# Altium PCB YarnControl_Connect_v1.0.PcbDoc
Units mm, origin at the board's own origin, x right, y up, seen from the top; angles counter-clockwise.
Board outline 140 x 55 mm, 2 copper layers (Top Layer, Bottom Layer); 11 components, 22 nets, 59 pads, 0 vias.
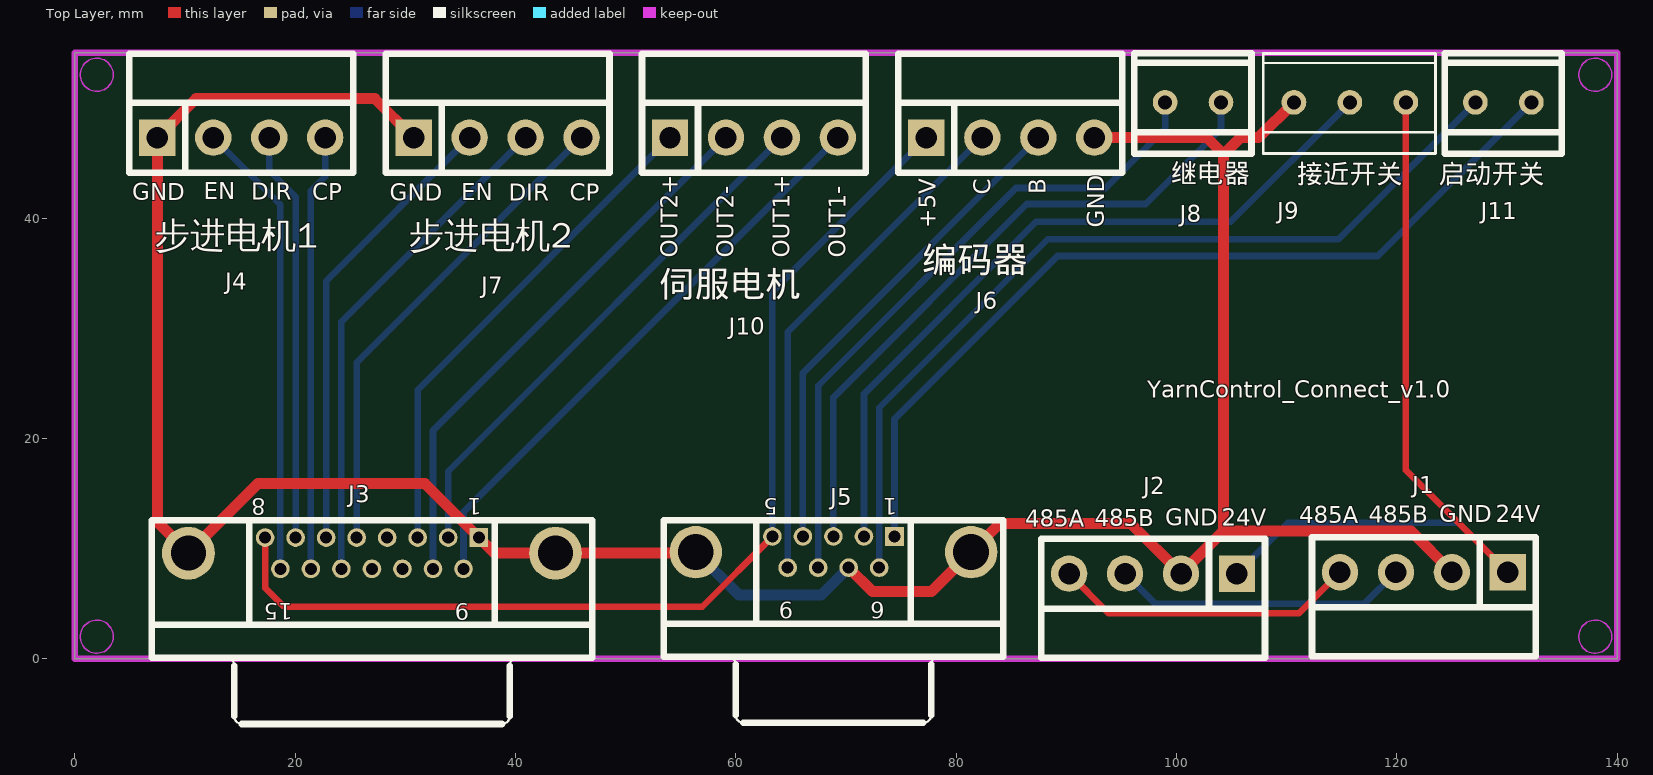
[diagram p0: Top Layer view]
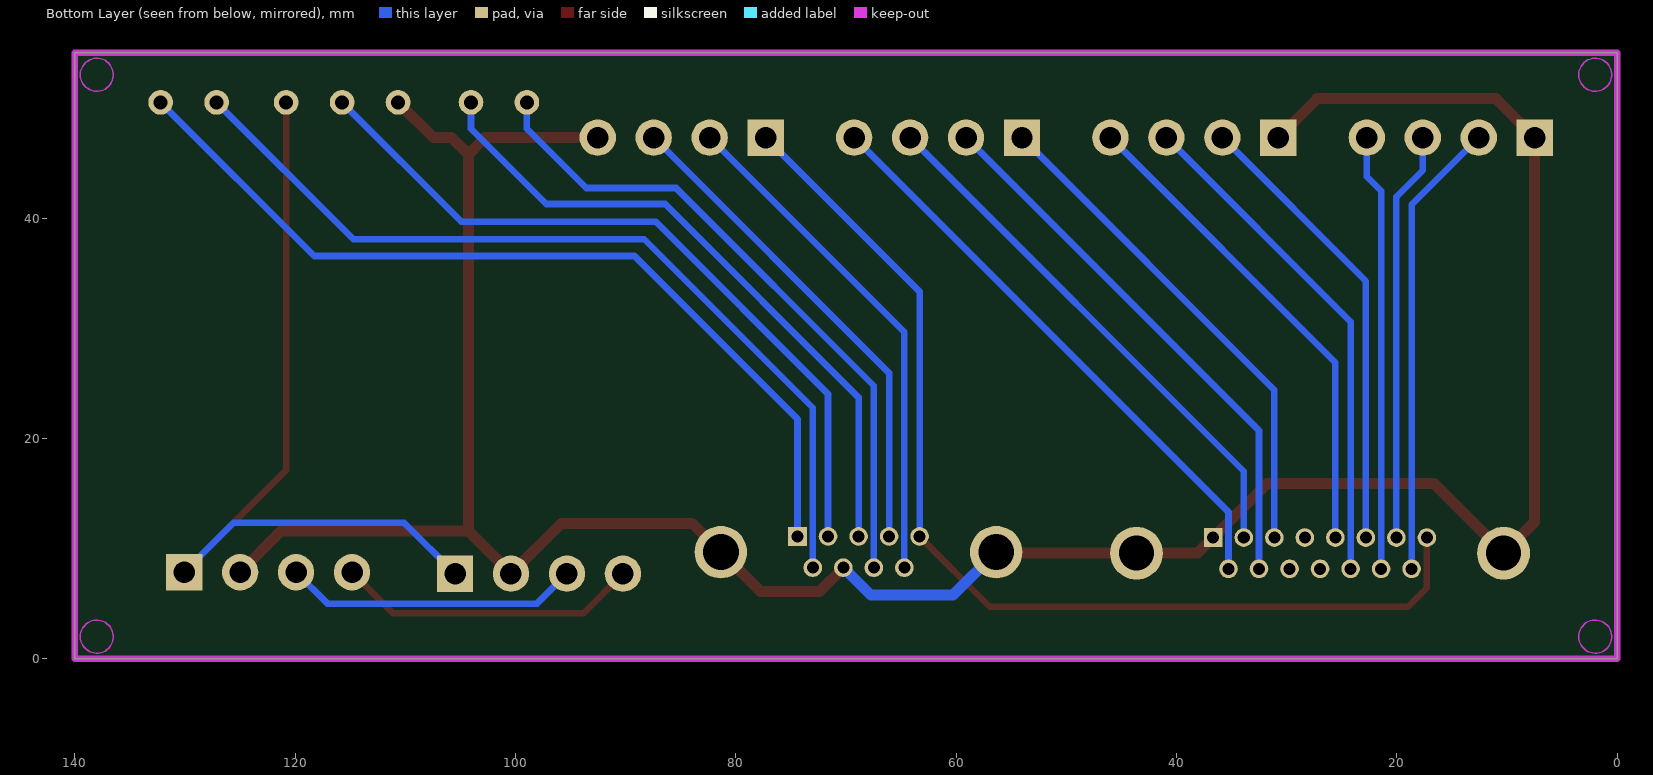
[diagram p1: Bottom Layer view, seen from below]

## Layer stack, top to bottom
Top Layer: signal copper 0.0356
Dielectric: dielectric 0.32, FR-4, Dk 4.8
Bottom Layer: signal copper 0.0356

## Board outline
0,0 140,0 140,55 0,55

## Design rules (kind name [scope] priority, off if disabled: settings)
Clearance Clearance_1 [inpoly] p1: gap=0.381
Clearance [All] p2: gap=0.203
Height [All] p1: minheight=0 maxheight=50 prefheight=12.7
HoleSize [All] p1: absolutevalues=TRUE maxlimit=4 minlimit=0.025 maxpercent=80.000 minpercent=20.000
MinimumSolderMaskSliver [All] p1: minsoldermaskwidth=0
PolygonConnect [All] p1: connectstyle=Relief reliefconductorwidth=0.508 reliefentries=4 polygonreliefangle="90 Angle"
RoutingVias [All] p1: holewidth=0.3 width=1.27 viastyle="Through Hole" minholewidth=0.3 minwidth=0.6 maxholewidth=0.711 maxwidth=1.27
SilkToSilkClearance [All] p1: silktosilkclearance=0
SilkscreenOverComponentPads [All] p1: minsilkscreentomaskgap=0
SolderMaskExpansion [All] p1: expansion=0.102
Width [All] p1: maxlimit=3 minlimit=0.203 preferedwidth=0.254
23 further rules are at their usual default settings.

## Components (designator, comment, footprint, x,y, rotation, side; value= is the part's Value field where it differs from the comment)
J1 "SH-4" PWR 130.073,7.849 r0 top
J2 "SH-4" PWR 105.486,7.722 r0 top
J3 "D Connector 15" DSUB1.385-2H15 26.975,0.078 r180 top
J4 "SH-4" PWR 7.493,47.295 r180 top
J5 "D Connector 9" DSUB1.385-2H9 68.859,0.178 r180 top
J6 "SH-4" PWR 77.292,47.295 r180 top
J7 "SH-4" PWR 30.759,47.295 r180 top
J8 "SH-2" J508-2(1) 101.498,50.495 r0 top
J9 "SH-3" J508-3 110.655,50.495 r0 top
J10 "SH-4" PWR 54.026,47.295 r180 top
J11 "SH-2" J508-2(1) 129.667,50.495 r0 top

## Footprints (in the part's own frame and the unit in brackets; to place one, negate y for a bottom-side part, rotate by r counter-clockwise, add the part's x,y. Pads: shape width x height; smd on the part's side, far side on the other; paste and mask are expansions set on the pad)
DSUB1.385-2H9 [mm] "Connector; D Subminiature; 9 Position; Right Angle; Pitch 1.385 mm"
  rect 1.69x1.69 hole 1.09: 1(-5.54,-10.92)
  round 1.69 hole 1.09: 2(-2.77,-10.92) 3(0,-10.92) 4(2.77,-10.92) 5(5.54,-10.92) 6(-4.155,-8.08) 7(-1.385,-8.08) 8(1.385,-8.08) 9(4.155,-8.08)
  round 4.76 hole 3.26: 10(-12.495,-9.5) 11(12.495,-9.5)
  silkscreen extent -15.4,-12.4 15.4,6
DSUB1.385-2H15 [mm] "Connector; D Subminiature; 15 Position; Right Angle; Pitch 1.385 mm"
  rect 1.69x1.69 hole 1.09: 1(-9.695,-10.92)
  round 1.69 hole 1.09: 2(-6.925,-10.92) 3(-4.155,-10.92) 4(-1.385,-10.92) 5(1.385,-10.92) 6(4.155,-10.92) 7(6.925,-10.92) 8(9.695,-10.92) 9(-8.31,-8.08) 10(-5.54,-8.08) 11(-2.77,-8.08) 12(0,-8.08) 13(2.77,-8.08) 14(5.54,-8.08) 15(8.31,-8.08)
  round 4.8 hole 3.18: 16(-16.66,-9.5) 17(16.66,-9.5)
  silkscreen extent -20,-12.5 20,6
J508-2(1) [mil]
  round 88 hole 50: 1(-100,0) 2(100,0)
  silkscreen extent -210,-183 209,175
J508-3 [mil]
  round 88 hole 50: 1(0,0) 2(200,0) 3(400,0)
  silkscreen extent -110,-183 506,175
PWR [mil]
  rect 130x130 hole 76.77: 1(0,0)
  round 130 hole 76.77: 2(-200,0) 3(-400,0) 4(-600,0)
  silkscreen extent -700,-300 100,125

## Part data
J3: "Receptacle Assembly, 15 Position, Right Angle"
J5: "Receptacle Assembly, 9 Position, Right Angle"

## Nets (pads, with @x,y where several pads share a name; then routed paths per layer and width w, separated by ;. In a path a pad name is that pad's centre, name@x,y a point inside that pad or via, vN(x,y) a via of type N, cw(c..) or ccw(c..) an arc to the next point about the centre after c; other vN are vias at no path point)
+5V: J3.8 J5.5 J6.1 | length 95.9
  Top Layer w0.6: J3.8 17.28,6.444 18.999,4.724 56.946,4.724 J5.5
  Bottom Layer w0.6: J5.5 63.319,33.322 J6.1
+24V: J1.1 J2.1 J9.3 | length 74.8
  Top Layer w0.6: J9.3 120.815,17.107 J1.1
  Bottom Layer w0.6: J2.1 110.109,12.344 125.578,12.344 J1.1
CLOSE_SW_IN: J5.2 J9.2 | length 68
  Bottom Layer w0.6: J5.2 71.629,24.03 87.274,39.675 104.915,39.675 J9.2
DIFF_OUTPUT1+: J3.9 J10.4 | length 53.2
  Bottom Layer w0.6: J3.9 35.285,13.314 J10.4
DIFF_OUTPUT1-: J3.2 J10.3 | length 48.8
  Bottom Layer w0.6: J3.2 33.9,17.009 J10.3
DIFF_OUTPUT2+: J3.3 J10.1 | length 45.8
  Bottom Layer w0.6: J3.3 31.13,24.399 J10.1
DIFF_OUTPUT2-: J3.10 J10.2 | length 50.2
  Bottom Layer w0.6: J3.10 32.515,20.704 J10.2
ENCODER_B: J5.4 J6.3 | length 45
  Bottom Layer w0.6: J5.4 66.089,25.932 J6.3
ENCODER_C: J5.9 J6.2 | length 46.4
  Bottom Layer w0.6: J5.9 64.704,29.627 J6.2
GND: J1.2 J2.2 J3.1 J3.16 J3.17 J4.1 J5.7 J5.10 J5.11 J6.4 J7.1 J9.1 | length 251.1
  Top Layer w1: J7.1 27.229,50.825 11.024,50.825 J4.1 7.493,12.4 J3.17 16.637,15.9 31.767,15.9 J3.1 38.09,9.578 J3.16 56.264,9.578 J5.11 ; J5.7 72.406,6.096 77.773,6.096 J5.10 83.97,12.294 95.834,12.294 J2.2 104.267,11.582 ; J6.4 102.743,47.295 104.267,45.771 ; J9.1 107.455,47.295 105.791,47.295 104.267,45.771 ; J1.2 121.26,11.582 104.267,11.582 ; 104.267,11.582 104.267,45.771
  Bottom Layer w1: J5.11 60.276,5.766 67.752,5.766 J5.7
RELAY1: J5.8 J8.1 | length 60.1
  Bottom Layer w0.6: J5.8 67.474,24.777 85.42,42.723 93.574,42.723 98.958,48.108 J8.1
RELAY2: J5.3 J8.2 | length 60.3
  Bottom Layer w0.6: J5.3 68.859,23.724 86.411,41.275 97.206,41.275 104.038,48.108 J8.2
RS485_A: J1.4 J2.4 | length 27.6
  Top Layer w0.6: J2.4 93.853,4.115 111.1,4.115 J1.4
RS485_B: J1.3 J2.3 | length 26.9
  Bottom Layer w0.6: J2.3 98.044,5.004 117.069,5.004 J1.3
START_STOP1: J5.6 J11.1 | length 80.1
  Bottom Layer w0.6: J5.6 73.014,22.773 88.316,38.075 114.706,38.075 J11.1
START_STOP2: J5.1 J11.2 | length 80.4
  Bottom Layer w0.6: J5.1 74.399,21.745 89.205,36.551 118.262,36.551 J11.2
STEP_MOTOR1_CP: J3.14 J4.4 | length 39.7
  Bottom Layer w0.6: J3.14 21.435,42.466 22.733,43.764 J4.4
STEP_MOTOR1_DIR: J3.7 J4.3 | length 37.3
  Bottom Layer w0.6: J4.3 17.653,44.323 20.05,41.926 J3.7
STEP_MOTOR1_EN: J3.15 J4.2 | length 41.7
  Bottom Layer w0.6: J4.2 18.665,41.203 J3.15
STEP_MOTOR2_CP: J3.5 J7.4 | length 44.8
  Bottom Layer w0.6: J3.5 25.59,26.885 J7.4
STEP_MOTOR2_DIR: J3.13 J7.3 | length 46.1
  Bottom Layer w0.6: J3.13 24.205,30.58 J7.3
STEP_MOTOR2_EN: J3.6 J7.2 | length 41.7
  Bottom Layer w0.6: J3.6 22.82,34.275 J7.2
pads on no net: J3.4 J3.11 J3.12

## Keep-outs
Keep-Out Layer:
  circle w0.127: c2,2 r1.5
  circle w0.127: c2,53 r1.5
  circle w0.127: c138,2 r1.5
  circle w0.127: c138,53 r1.5
  lines w0.6: 0,0 0,55 140,55 140,0 0,0

## Silkscreen, mask and mechanical layers (free items; w line width, h text height)
Top Overlay:
  text "继电器" at 99.466,42.592 h3
  text "接近开关" at 110.922,42.557 h3
  text "启动开关" at 123.8,42.545 h3
  text "B" at 88.138,42.139 h1.52 r90
  text "C" at 83.134,42.113 h1.52 r90
  text "EN" at 11.709,41.681 h1.52
  text "DIR" at 16.027,41.656 h1.52
  text "GND" at 5.207,41.631 h1.52
  text "CP" at 21.565,41.631 h1.52
  text "EN" at 35.077,41.605 h1.52
  text "DIR" at 39.395,41.58 h1.52
  text "GND" at 28.575,41.554 h1.52
  text "CP" at 44.933,41.554 h1.52
  text "GND" at 93.447,39.116 h1.52 r90
  text "+5V" at 78.156,39.091 h1.52 r90
  text "步进电机1" at 7.264,36.551 h4
  text "步进电机2" at 30.328,36.551 h4
  text "OUT2+" at 54.712,36.398 h1.52 r90
  text "OUT2-" at 59.8,36.398 h1.52 r90
  text "OUT1+" at 64.889,36.398 h1.52 r90
  text "OUT1-" at 69.977,36.398 h1.52 r90
  text "编码器" at 76.886,34.315 h4
  text "伺服电机" at 53.061,32.08 h4
  text "YarnControl_Connect_v1.0" at 97.333,23.673 h1.52
  text "GND" at 123.825,12.395 h1.52
  text "24V" at 128.956,12.395 h1.52
  text "485B" at 117.424,12.344 h1.52
  text "485A" at 111.125,12.294 h1.52
  text "GND" at 98.984,12.09 h1.52
  text "24V" at 104.115,12.09 h1.52
  text "485B" at 92.583,12.04 h1.52
  text "485A" at 86.284,11.989 h1.52

## Dimensions
0,0 to 0,55 on Top Overlay
0,0 to 140,0 on Top Overlay

## Text inside footprints (layer, text, board x,y; h text height)
J3: Top Overlay "1" at 36.92,14.553 h1.5 r180; Top Overlay "8" at 17.323,14.553 h1.5 r180; Top Overlay "15" at 19.79,5.053 h1.5 r180; Top Overlay "9" at 35.785,5.053 h1.5 r180
J5: Top Overlay "1" at 74.649,14.553 h1.5 r180; Top Overlay "5" at 63.819,14.553 h1.5 r180; Top Overlay "9" at 65.204,5.153 h1.5 r180; Top Overlay "6" at 73.514,5.153 h1.5 r180